# KiCad board Gear80 hotswap.kicad_pcb
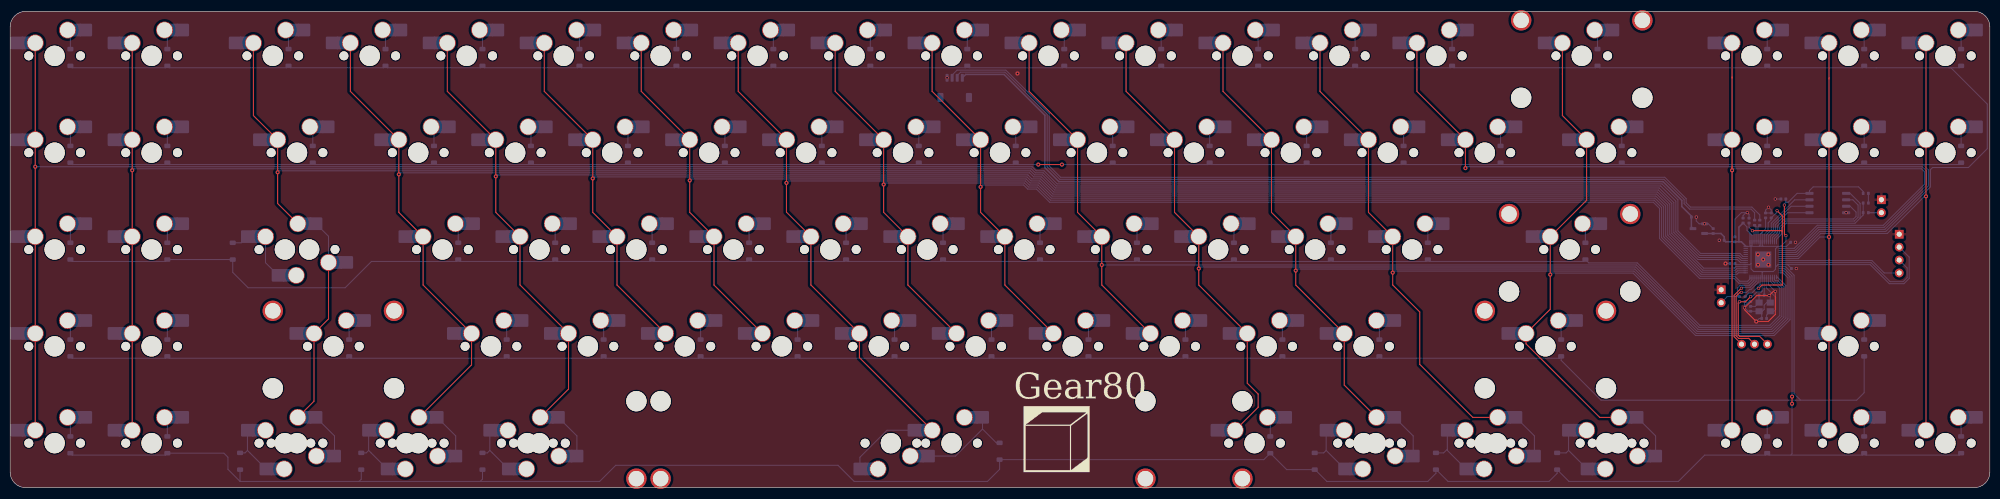
[diagram p0: board, top side]
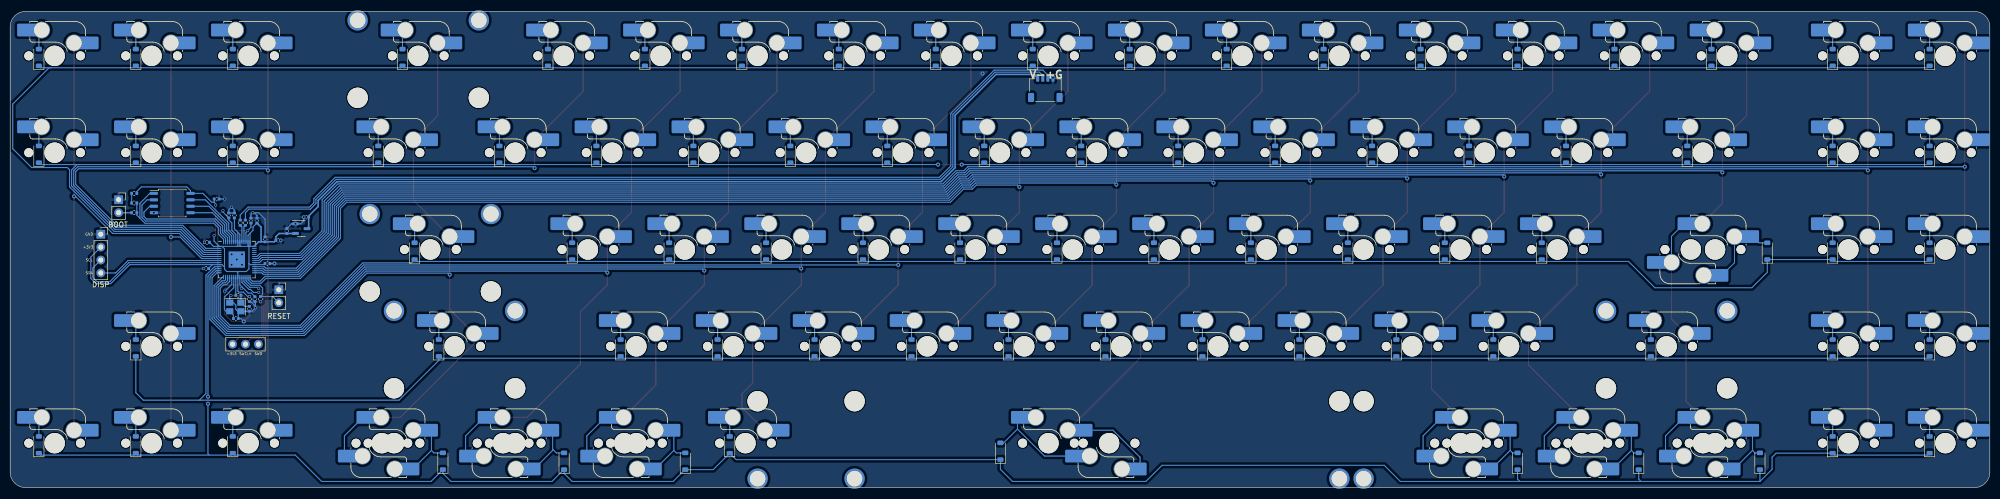
[diagram p1: board, bottom side, seen from below]

Outline 388.94 x 93.66 mm; copper layers: Top, Bottom. Coordinates in mm from the lower left corner of the outline.
Outline path: 0,90.66 arc(0.88,92.78) 3,93.66 385.94,93.66 arc(388.06,92.78) 388.94,90.66 388.94,3 arc(388.06,0.88) 385.94,0 3,0 arc(0.88,0.88) 0,3 0,90.66

## Placement (name value [footprint] x y rotation side)
BOOT1  SW_Push  [PinSocket_1x02_P2.54mm_Vertical]  367.64 56.62 180 bottom
C1  1u  [C_0402_1005Metric]  341.63 52.51 90 bottom
C2  100n  [C_0402_1005Metric]  340.86 37.07 270 bottom
C3  100n  [C_0402_1005Metric]  345.99 53.53 90 bottom
C4  100n  [C_0402_1005Metric]  336.26 48.65 180 bottom
C5  1u  [C_0402_1005Metric]  338.85 48.83 90 bottom
C6  100n  [C_0402_1005Metric]  350.44 43.09 0 bottom
C7  100n  [C_0402_1005Metric]  341.94 37.08 270 bottom
C8  100n  [C_0402_1005Metric]  350.28 48.25 0 bottom
C9  100n  [C_0402_1005Metric]  338.39 44.06 180 bottom
C10  100n  [C_0402_1005Metric]  344.88 53.53 90 bottom
C11  100n  [C_0402_1005Metric]  340.46 52.52 90 bottom
C12  1u  [C_0402_1005Metric]  348.38 56.77 180 bottom
C13  22p  [C_0402_1005Metric]  344.6 33.26 0 bottom
C14  22p  [C_0402_1005Metric]  341.94 35.16 90 bottom
C15  1u  [C_0402_1005Metric]  330.78 53.21 0 bottom
C16  1u  [C_0402_1005Metric]  334.59 50.46 90 bottom
D1  D_Small  [D_SOD-123]  11.83 84.61 90 bottom
D2  D_Small  [D_SOD-123]  30.88 84.61 90 bottom
D3  D_Small  [D_SOD-123]  54.69 84.61 90 bottom
D4  D_Small  [D_SOD-123]  73.74 84.61 90 bottom
D5  D_Small  [D_SOD-123]  92.79 84.61 90 bottom
D6  D_Small  [D_SOD-123]  111.84 84.61 90 bottom
D7  D_Small  [D_SOD-123]  130.89 84.61 90 bottom
D8  D_Small  [D_SOD-123]  149.94 84.61 90 bottom
D9  D_Small  [D_SOD-123]  168.99 84.61 90 bottom
D10  D_Small  [D_SOD-123]  188.04 84.61 90 bottom
D11  D_Small  [D_SOD-123]  207.09 84.61 90 bottom
D12  D_Small  [D_SOD-123]  226.14 84.61 90 bottom
D13  D_Small  [D_SOD-123]  245.19 84.61 90 bottom
D14  D_Small  [D_SOD-123]  264.24 84.61 90 bottom
D15  D_Small  [D_SOD-123]  283.29 84.61 90 bottom
D16  D_Small  [D_SOD-123]  311.86 84.61 90 bottom
D17  D_Small  [D_SOD-123]  345.2 84.61 90 bottom
D18  D_Small  [D_SOD-123]  364.25 84.61 90 bottom
D19  D_Small  [D_SOD-123]  383.3 84.61 90 bottom
D20  D_Small  [D_SOD-123]  11.83 65.56 90 bottom
D21  D_Small  [D_SOD-123]  30.88 65.56 90 bottom
D22  D_Small  [D_SOD-123]  59.45 65.56 90 bottom
D23  D_Small  [D_SOD-123]  83.26 65.56 90 bottom
D24  D_Small  [D_SOD-123]  102.31 65.56 90 bottom
D25  D_Small  [D_SOD-123]  121.36 65.56 90 bottom
D26  D_Small  [D_SOD-123]  140.41 65.56 90 bottom
D27  D_Small  [D_SOD-123]  159.46 65.56 90 bottom
D28  D_Small  [D_SOD-123]  178.51 65.56 90 bottom
D29  D_Small  [D_SOD-123]  197.56 65.56 90 bottom
D30  D_Small  [D_SOD-123]  216.61 65.56 90 bottom
D31  D_Small  [D_SOD-123]  235.66 65.56 90 bottom
D32  D_Small  [D_SOD-123]  254.71 65.56 90 bottom
D33  D_Small  [D_SOD-123]  273.76 65.56 90 bottom
D34  D_Small  [D_SOD-123]  292.81 65.56 90 bottom
D35  D_Small  [D_SOD-123]  316.63 65.56 90 bottom
D36  D_Small  [D_SOD-123]  345.2 65.56 90 bottom
D37  D_Small  [D_SOD-123]  364.25 65.56 90 bottom
D38  D_Small  [D_SOD-123]  383.3 65.56 90 bottom
D40  D_Small  [D_SOD-123]  11.83 46.51 90 bottom
D41  D_Small  [D_SOD-123]  30.88 46.51 90 bottom
D42  D_Small  [D_SOD-123]  43.72 46.5 90 bottom
D43  D_Small  [D_SOD-123]  88.03 46.51 90 bottom
D44  D_Small  [D_SOD-123]  107.08 46.51 90 bottom
D45  D_Small  [D_SOD-123]  126.13 46.51 90 bottom
D46  D_Small  [D_SOD-123]  145.18 46.51 90 bottom
D47  D_Small  [D_SOD-123]  164.23 46.51 90 bottom
D48  D_Small  [D_SOD-123]  183.28 46.51 90 bottom
D49  D_Small  [D_SOD-123]  202.33 46.51 90 bottom
D50  D_Small  [D_SOD-123]  221.38 46.51 90 bottom
D51  D_Small  [D_SOD-123]  240.43 46.51 90 bottom
D52  D_Small  [D_SOD-123]  259.48 46.51 90 bottom
D53  D_Small  [D_SOD-123]  278.53 46.51 90 bottom
D54  D_Small  [D_SOD-123]  309.48 46.51 90 bottom
D55  D_Small  [D_SOD-123]  11.83 27.46 90 bottom
D56  D_Small  [D_SOD-123]  30.88 27.46 90 bottom
D57  D_Small  [D_SOD-123]  66.59 27.46 90 bottom
D58  D_Small  [D_SOD-123]  97.55 27.46 90 bottom
D59  D_Small  [D_SOD-123]  116.6 27.46 90 bottom
D60  D_Small  [D_SOD-123]  135.65 27.46 90 bottom
D61  D_Small  [D_SOD-123]  154.7 27.46 90 bottom
D62  D_Small  [D_SOD-123]  173.75 27.46 90 bottom
D63  D_Small  [D_SOD-123]  192.8 27.46 90 bottom
D64  D_Small  [D_SOD-123]  211.85 27.46 90 bottom
D65  D_Small  [D_SOD-123]  230.9 27.46 90 bottom
D66  D_Small  [D_SOD-123]  249.95 27.46 90 bottom
D67  D_Small  [D_SOD-123]  269 27.46 90 bottom
D68  D_Small  [D_SOD-123]  304.72 27.46 90 bottom
D69  D_Small  [D_SOD-123]  364.25 27.46 90 bottom
D70  D_Small  [D_SOD-123]  11.83 8.41 90 bottom
D71  D_Small  [D_SOD-123]  30.88 8.41 90 bottom
D72  D_Small  [D_SOD-123]  45.16 5.17 90 bottom
D73  D_Small  [D_SOD-123]  68.98 5.17 90 bottom
D74  D_Small  [D_SOD-123]  92.79 5.17 90 bottom
D75  D_Small  [D_SOD-123]  194.39 7.14 90 bottom
D76  D_Small  [D_SOD-123]  256.3 5.17 90 bottom
D77  D_Small  [D_SOD-123]  280.11 5.17 90 bottom
D78  D_Small  [D_SOD-123]  303.93 5.17 90 bottom
D79  D_Small  [D_SOD-123]  345.2 8.41 90 bottom
D80  D_Small  [D_SOD-123]  364.25 8.41 90 bottom
D81  D_Small  [D_SOD-123]  383.3 8.41 90 bottom
D86  D_Small  [D_SOD-123]  247.57 8.41 90 bottom
G***  LOGO  [qwerqwer]  205.58 9.53 0 top
J1  Conn_01x04  [PinHeader_1x04_P2.54mm_Vertical]  371.14 49.84 0 top
J2  Conn_01x03  [PinHeader_1x03_P2.54mm_Vertical]  345.25 28.2 270 top
J3  Conn_01x04  [JST_SH_SM04B-SRSS-TB_1x04-1MP_P1.00mm_Horizontal]  185.57 78.61 180 bottom
MX1  MX_SW_HS  [SW_MX_HS_1u]  8.73 84.93 180 bottom
MX2  MX_SW_HS  [SW_MX_HS_1u]  27.78 84.93 180 bottom
MX3  MX_SW_HS  [SW_MX_HS_1u]  51.59 84.93 180 bottom
MX4  MX_SW_HS  [SW_MX_HS_1u]  70.64 84.93 180 bottom
MX5  MX_SW_HS  [SW_MX_HS_1u]  89.69 84.93 180 bottom
MX6  MX_SW_HS  [SW_MX_HS_1u]  108.74 84.93 180 bottom
MX7  MX_SW_HS  [SW_MX_HS_1u]  127.79 84.93 180 bottom
MX8  MX_SW_HS  [SW_MX_HS_1u]  146.84 84.93 180 bottom
MX9  MX_SW_HS  [SW_MX_HS_1u]  165.89 84.93 180 bottom
MX10  MX_SW_HS  [SW_MX_HS_1u]  184.94 84.93 180 bottom
MX11  MX_SW_HS  [SW_MX_HS_1u]  203.99 84.93 180 bottom
MX12  MX_SW_HS  [SW_MX_HS_1u]  223.04 84.93 180 bottom
MX13  MX_SW_HS  [SW_MX_HS_1u]  242.09 84.93 180 bottom
MX14  MX_SW_HS  [SW_MX_HS_1u]  261.14 84.93 180 bottom
MX15  MX_SW_HS  [SW_MX_HS_1u]  280.19 84.93 180 bottom
MX16  MX_SW_HS  [SW_MX_HS_1u]  308.77 84.93 180 bottom
MX17  MX_SW_HS  [SW_MX_HS_1u]  342.11 84.93 180 bottom
MX18  MX_SW_HS  [SW_MX_HS_1u]  361.16 84.93 180 bottom
MX19  MX_SW_HS  [SW_MX_HS_1u]  380.21 84.93 180 bottom
MX20  MX_SW_HS  [SW_MX_HS_1u]  8.73 65.88 180 bottom
MX21  MX_SW_HS  [SW_MX_HS_1u]  27.78 65.88 180 bottom
MX22  MX_SW_HS  [SW_MX_HS_1.5u]  56.36 65.88 180 bottom
MX23  MX_SW_HS  [SW_MX_HS_1u]  80.17 65.88 180 bottom
MX24  MX_SW_HS  [SW_MX_HS_1u]  99.22 65.88 180 bottom
MX25  MX_SW_HS  [SW_MX_HS_1u]  118.27 65.88 180 bottom
MX26  MX_SW_HS  [SW_MX_HS_1u]  137.32 65.88 180 bottom
MX27  MX_SW_HS  [SW_MX_HS_1u]  156.37 65.88 180 bottom
MX28  MX_SW_HS  [SW_MX_HS_1u]  175.42 65.88 180 bottom
MX29  MX_SW_HS  [SW_MX_HS_1u]  194.47 65.88 180 bottom
MX30  MX_SW_HS  [SW_MX_HS_1u]  213.52 65.88 180 bottom
MX31  MX_SW_HS  [SW_MX_HS_1u]  232.57 65.88 180 bottom
MX32  MX_SW_HS  [SW_MX_HS_1u]  251.62 65.88 180 bottom
MX33  MX_SW_HS  [SW_MX_HS_1u]  270.67 65.88 180 bottom
MX34  MX_SW_HS  [SW_MX_HS_1u]  289.72 65.88 180 bottom
MX35  MX_SW_HS  [SW_MX_HS_1.5u]  313.53 65.88 180 bottom
MX36  MX_SW_HS  [SW_MX_HS_1u]  342.11 65.88 180 bottom
MX37  MX_SW_HS  [SW_MX_HS_1u]  361.16 65.88 180 bottom
MX38  MX_SW_HS  [SW_MX_HS_1u]  380.21 65.88 180 bottom
MX39  MX_SW_HS  [SW_MX_HS_1.75u_STP_1.25]  53.97 46.83 180 bottom
MX40  MX_SW_HS  [SW_MX_HS_1u]  8.73 46.83 180 bottom
MX41  MX_SW_HS  [SW_MX_HS_1u]  27.78 46.83 180 bottom
MX42  MX_SW_HS  [SW_MX_HS_1.75u]  58.74 46.83 0 bottom
MX43  MX_SW_HS  [SW_MX_HS_1u]  84.93 46.83 180 bottom
MX44  MX_SW_HS  [SW_MX_HS_1u]  103.98 46.83 180 bottom
MX45  MX_SW_HS  [SW_MX_HS_1u]  123.03 46.83 180 bottom
MX46  MX_SW_HS  [SW_MX_HS_1u]  142.08 46.83 180 bottom
MX47  MX_SW_HS  [SW_MX_HS_1u]  161.13 46.83 180 bottom
MX48  MX_SW_HS  [SW_MX_HS_1u]  180.18 46.83 180 bottom
MX49  MX_SW_HS  [SW_MX_HS_1u]  199.23 46.83 180 bottom
MX50  MX_SW_HS  [SW_MX_HS_1u]  218.28 46.83 180 bottom
MX51  MX_SW_HS  [SW_MX_HS_1u]  237.33 46.83 180 bottom
MX52  MX_SW_HS  [SW_MX_HS_1u]  256.38 46.83 180 bottom
MX53  MX_SW_HS  [SW_MX_HS_1u]  275.43 46.83 180 bottom
MX54  MX_SW_HS  [SW_MX_HS_1u]  306.39 46.83 180 bottom
MX55  MX_SW_HS  [SW_MX_HS_1u]  8.73 27.78 180 bottom
MX56  MX_SW_HS  [SW_MX_HS_1u]  27.78 27.78 180 bottom
MX57  MX_SW_HS  [SW_MX_HS_1u]  63.5 27.78 180 bottom
MX58  MX_SW_HS  [SW_MX_HS_1u]  94.46 27.78 180 bottom
MX59  MX_SW_HS  [SW_MX_HS_1u]  113.51 27.78 180 bottom
MX60  MX_SW_HS  [SW_MX_HS_1u]  132.56 27.78 180 bottom
MX61  MX_SW_HS  [SW_MX_HS_1u]  151.61 27.78 180 bottom
MX62  MX_SW_HS  [SW_MX_HS_1u]  170.66 27.78 180 bottom
MX63  MX_SW_HS  [SW_MX_HS_1u]  189.71 27.78 180 bottom
MX64  MX_SW_HS  [SW_MX_HS_1u]  208.76 27.78 180 bottom
MX65  MX_SW_HS  [SW_MX_HS_1u]  227.81 27.78 180 bottom
MX66  MX_SW_HS  [SW_MX_HS_1u]  246.86 27.78 180 bottom
MX67  MX_SW_HS  [SW_MX_HS_1u]  265.91 27.78 180 bottom
MX68  MX_SW_HS  [SW_MX_HS_1u]  301.62 27.78 180 bottom
MX69  MX_SW_HS  [SW_MX_HS_1u]  361.16 27.78 180 bottom
MX70  MX_SW_HS  [SW_MX_HS_1u]  8.73 8.73 180 bottom
MX71  MX_SW_HS  [SW_MX_HS_1u]  27.78 8.73 180 bottom
MX72  MX_SW_HS  [SW_MX_HS_1.5u]  56.36 8.73 0 bottom
MX73  MX_SW_HS  [SW_MX_HS_1u]  80.17 8.73 0 bottom
MX74  MX_SW_HS  [SW_MX_HS_1.5u]  103.98 8.73 0 bottom
MX75  MX_SW_HS  [SW_MX_HS_1u]  184.94 8.73 180 bottom
MX76  MX_SW_HS  [SW_MX_HS_1.5u]  265.91 8.73 180 bottom
MX77  MX_SW_HS  [SW_MX_HS_1u]  289.72 8.73 180 bottom
MX78  MX_SW_HS  [SW_MX_HS_1.5u]  313.53 8.73 180 bottom
MX79  MX_SW_HS  [SW_MX_HS_1u]  342.11 8.73 180 bottom
MX80  MX_SW_HS  [SW_MX_HS_1u]  361.16 8.73 180 bottom
MX81  MX_SW_HS  [SW_MX_HS_1u]  380.21 8.73 180 bottom
MX82  MX_SW_HS  [SW_MX_HS_1.25u]  53.97 8.73 180 bottom
MX83  MX_SW_HS  [SW_MX_HS_1.25u]  77.79 8.73 180 bottom
MX84  MX_SW_HS  [SW_MX_HS_1.25u]  101.6 8.73 180 bottom
MX85  MX_SW_HS  [SW_MX_HS_1u]  173.04 8.73 0 bottom
MX86  MX_SW_HS  [SW_MX_HS_1.25u]  244.48 8.73 180 bottom
MX87  MX_SW_HS  [SW_MX_HS_1.25u]  268.29 8.73 0 bottom
MX88  MX_SW_HS  [SW_MX_HS_1.25u]  292.1 8.73 0 bottom
MX89  MX_SW_HS  [SW_MX_HS_1.25u]  315.91 8.73 0 bottom
R1  27  [R_0402_1005Metric]  343.74 52.1 270 bottom
R2  27  [R_0402_1005Metric]  342.73 52.1 270 bottom
R5  1k  [R_0402_1005Metric]  344.11 37.83 0 bottom
R6  5.1k  [R_0402_1005Metric]  364.57 57.87 180 bottom
R7  5.1k  [R_0402_1005Metric]  339.75 37.06 270 bottom
R8  5.1k  [R_0402_1005Metric]  364.57 55.97 0 bottom
R9  1k  [R_0402_1005Metric]  364.57 54.07 180 bottom
RESET1  SW_Push  [PinSocket_1x02_P2.54mm_Vertical]  336.16 38.91 180 bottom
S1  stb  [STAB_MX_P_7u]  184.94 8.73 0 bottom
S2  stb  [STAB_MX_P_6.25u]  173.04 8.73 0 bottom
S3  stb  [STAB_MX_P_2.25u]  63.5 27.78 180 bottom
S4  stb  [STAB_MX_P_2u]  308.77 84.93 180 bottom
S5  stb  [STAB_MX_P_2.25u]  306.39 46.83 180 bottom
S6  stb  [STAB_MX_P_2.75u]  301.62 27.78 180 bottom
U1  RP2040  [QFN-56-1EP_7x7mm_P0.4mm_EP3.2x3.2mm]  344.41 44.85 180 bottom
U3  W25Q128JVSIQ  [SOIC-8_5.23x5.23mm_P1.27mm]  357.11 55.97 180 bottom
U4  XC6206P332MR  [SOT-23-3]  331.75 50.94 180 bottom
Y1  X322512MSB4SI  [Crystal_SMD_3225-4Pin_3.2x2.5mm]  344.7 35.53 0 bottom

## Library data of the parts
BOOT1 RESET1 = -: Description: Push button switch, generic, two pins
C1-C16 = -: Description: Unpolarized capacitor, small symbol
D1-D38 D40-D81 D86 = -: Description: Diode, small symbol; Sim.Device: D; Sim.Pins: 1=K 2=A
J1 J3 = -: Description: Generic connector, single row, 01x04, script generated (kicad-library-utils/schlib/autogen/connector/)
J2 = -: Description: Generic connector, single row, 01x03, script generated (kicad-library-utils/schlib/autogen/connector/)
MX1-MX89 = -: Description: Push button switch, normally open, two pins, 45° tilted
R1 R2 R5-R9 = -: Description: Resistor, small symbol
S1-S6 = -: Description: Cherry MX-style stabilizer
U1 = -: Description: A microcontroller by Raspberry Pi
U3 = -: Description: 128Mb Serial Flash Memory, Standard/Dual/Quad SPI, SOIC-8
U4 = -: Description: Positive 60-250mA Low Dropout Regulator, Fixed Output, SOT-23
Y1 = -: Description: Four pin crystal, GND on pins 2 and 4

## Footprints (pads in the part's own frame, mm; a bottom-side part is the same pattern mirrored in y, then rotated)
C_0402_1005Metric
  rrect 0.56x0.62 smd: 1(-0.48,0) 2(0.48,0)
Crystal_SMD_3225-4Pin_3.2x2.5mm
  rect 1.4x1.2 smd: 1(-1.1,-0.85) 2(1.1,-0.85) 3(1.1,0.85) 4(-1.1,0.85)
D_SOD-123
  rrect 0.9x1.2 smd: 1(-1.65,0) 2(1.65,0)
JST_SH_SM04B-SRSS-TB_1x04-1MP_P1.00mm_Horizontal
  rrect 0.6x1.55 smd: 1(-1.5,2) 2(-0.5,2) 3(0.5,2) 4(1.5,2)
  rrect 1.2x1.8 smd: MP(-2.8,-1.875) MP(2.8,-1.875)
PinHeader_1x03_P2.54mm_Vertical
  oval 1.7x1.7 hole 1: 1(0,0) 2(0,-2.54) 3(0,-5.08)
PinHeader_1x04_P2.54mm_Vertical
  rect 1.7x1.7 hole 1: 1(0,0)
  oval 1.7x1.7 hole 1: 2(0,-2.54) 3(0,-5.08) 4(0,-7.62)
PinSocket_1x02_P2.54mm_Vertical
  rect 1.7x1.7 hole 1: 1(0,0)
  oval 1.7x1.7 hole 1: 2(0,-2.54)
QFN-56-1EP_7x7mm_P0.4mm_EP3.2x3.2mm
  rrect 1.29x1.29 smd: (-0.8,-0.8) (-0.8,0.8) (0.8,-0.8) (0.8,0.8)
  rrect 0.875x0.2 smd: 1(-3.438,2.6) 2(-3.438,2.2) 3(-3.438,1.8) 4(-3.438,1.4) 5(-3.438,1) 6(-3.438,0.6) 7(-3.438,0.2) 8(-3.438,-0.2) 9(-3.438,-0.6) 10(-3.438,-1) 11(-3.438,-1.4) 12(-3.438,-1.8) 13(-3.438,-2.2) 14(-3.438,-2.6) 29(3.438,-2.6) 30(3.438,-2.2) 31(3.438,-1.8) 32(3.438,-1.4) 33(3.438,-1) 34(3.438,-0.6) 35(3.438,-0.2) 36(3.438,0.2) 37(3.438,0.6) 38(3.438,1) 39(3.438,1.4) 40(3.438,1.8) 41(3.438,2.2) 42(3.438,2.6)
  rrect 0.2x0.875 smd: 15(-2.6,-3.438) 16(-2.2,-3.438) 17(-1.8,-3.438) 18(-1.4,-3.438) 19(-1,-3.438) 20(-0.6,-3.438) 21(-0.2,-3.438) 22(0.2,-3.438) 23(0.6,-3.438) 24(1,-3.438) 25(1.4,-3.438) 26(1.8,-3.438) 27(2.2,-3.438) 28(2.6,-3.438) 43(2.6,3.438) 44(2.2,3.438) 45(1.8,3.438) 46(1.4,3.438) 47(1,3.438) 48(0.6,3.438) 49(0.2,3.438) 50(-0.2,3.438) 51(-0.6,3.438) 52(-1,3.438) 53(-1.4,3.438) 54(-1.8,3.438) 55(-2.2,3.438) 56(-2.6,3.438)
  rect 3.2x3.2 smd: 57(0,0)
R_0402_1005Metric
  rrect 0.54x0.64 smd: 1(-0.51,0) 2(0.51,0)
SOIC-8_5.23x5.23mm_P1.27mm
  rrect 1.6x0.6 smd: 1(-3.6,1.905) 2(-3.6,0.635) 3(-3.6,-0.635) 4(-3.6,-1.905) 5(3.6,-1.905) 6(3.6,-0.635) 7(3.6,0.635) 8(3.6,1.905)
SOT-23-3
  rrect 1.325x0.6 smd: 1(-1.137,0.95) 2(-1.137,-0.95) 3(1.137,0)
STAB_MX_P_2.25u
  round 3.988 hole 3.988 unplated: (-11.906,-8.255) (11.906,-8.255)
  round 4 hole 3.048: (-11.906,6.985) (11.906,6.985)
STAB_MX_P_2.75u
  round 3.988 hole 3.988 unplated: (-11.906,-8.255) (11.906,-8.255)
  round 4 hole 3.048: (-11.906,6.985) (11.906,6.985)
STAB_MX_P_2u
  round 3.988 hole 3.988 unplated: (-11.906,-8.255) (11.906,-8.255)
  round 4 hole 3.048: (-11.906,6.985) (11.906,6.985)
STAB_MX_P_6.25u
  round 3.988 hole 3.988 unplated: (-50.006,-8.255) (50.006,-8.255)
  round 4 hole 3.048: (-50.006,6.985) (50.006,6.985)
STAB_MX_P_7u
  round 3.988 hole 3.988 unplated: (-57.15,-8.255) (57.15,-8.255)
  round 4 hole 3.048: (-57.15,6.985) (57.15,6.985)
SW_MX_HS_1.5u
  round 1.75 hole 1.75 unplated: (-5.08,0) (5.08,0)
  round 3.988 hole 3.988 unplated: (0,0)
  round 3.3 hole 3: 1(3.81,2.54) 2(-2.54,5.08)
  rect 1.65x2.5 smd: 1(5.635,2.54) 2(-4.34,5.08)
  rrect 2.55x2.5 smd: 1(7.36,2.54) 2(-6.09,5.08)
SW_MX_HS_1.25u
  round 1.75 hole 1.75 unplated: (-5.08,0) (5.08,0)
  round 3.988 hole 3.988 unplated: (0,0)
  round 3.3 hole 3: 1(3.81,2.54) 2(-2.54,5.08)
  rect 1.65x2.5 smd: 1(5.635,2.54) 2(-4.34,5.08)
  rrect 2.55x2.5 smd: 1(7.36,2.54) 2(-6.09,5.08)
SW_MX_HS_1.75u
  round 1.75 hole 1.75 unplated: (-5.08,0) (5.08,0)
  round 3.988 hole 3.988 unplated: (0,0)
  round 3.3 hole 3: 1(3.81,2.54) 2(-2.54,5.08)
  rect 1.65x2.5 smd: 1(5.635,2.54) 2(-4.34,5.08)
  rrect 2.55x2.5 smd: 1(7.36,2.54) 2(-6.09,5.08)
SW_MX_HS_1.75u_STP_1.25
  round 1.75 hole 1.75 unplated: (-5.08,0) (5.08,0)
  round 3.988 hole 3.988 unplated: (0,0)
  round 3.3 hole 3: 1(3.81,2.54) 2(-2.54,5.08)
  rect 1.65x2.5 smd: 1(5.635,2.54) 2(-4.34,5.08)
  rrect 2.55x2.5 smd: 1(7.36,2.54) 2(-6.09,5.08)
SW_MX_HS_1u
  round 1.75 hole 1.75 unplated: (-5.08,0) (5.08,0)
  round 3.988 hole 3.988 unplated: (0,0)
  round 3.3 hole 3: 1(3.81,2.54) 2(-2.54,5.08)
  rect 1.65x2.5 smd: 1(5.635,2.54) 2(-4.34,5.08)
  rrect 2.55x2.5 smd: 1(7.36,2.54) 2(-6.09,5.08)

## Nets
+1V1: C1.1 C2.1 C3.1 U1.23 U1.45 U1.50
+3V3: C4.1 C5.1 C6.1 C7.1 C8.1 C9.1 C10.1 C11.1 C12.1 C16.1 J1.2 J2.1 R6.2 R7.2 U1.1 U1.10 U1.22 U1.33 U1.42 U1.43 U1.44 U1.48 U1.49 U3.8 U4.2
+5V: C15.1 J3.1 U4.3
GND: BOOT1.1 C1.2 C2.2 C3.2 C4.2 C5.2 C6.2 C7.2 C8.2 C9.2 C10.2 C11.2 C12.2 C13.1 C14.1 C15.2 C16.2 J1.1 J3.4 RESET1.1 U1.19 U1.57 U3.4 U4.1 Y1.2 Y1.4
COL0: MX1.1 MX20.1 MX40.1 MX55.1 MX70.1 U1.37
COL1: MX2.1 MX21.1 MX41.1 MX56.1 MX71.1 U1.36
COL2: MX3.1 MX22.1 MX39.2 MX42.1 MX57.1 MX72.1 MX82.2 U1.35
COL3: MX4.1 MX23.1 MX43.1 MX58.1 MX73.1 MX83.2 U1.34
COL4: MX5.1 MX24.1 MX44.1 MX59.1 MX74.1 MX84.2 U1.32
COL5: MX6.1 MX25.1 MX45.1 MX60.1 U1.31
COL6: MX7.1 MX26.1 MX46.1 MX61.1 U1.30
COL7: MX8.1 MX27.1 MX47.1 MX62.1 MX75.1 MX85.2 U1.29
COL8: MX9.1 MX28.1 MX48.1 MX63.1 U1.28
COL9: MX10.1 MX29.1 MX49.1 MX64.1 U1.27
COL10: MX11.1 MX30.1 MX50.1 MX65.1 U1.17
COL11: MX12.1 MX31.1 MX51.1 MX66.1 MX86.1 U1.16
COL12: MX13.1 MX32.1 MX52.1 MX67.1 MX76.2 MX87.1 U1.15
COL13: MX14.1 MX33.1 MX53.1 MX77.2 MX88.1 U1.14
COL14: MX15.1 MX34.1 U1.3
COL15: MX16.1 MX35.1 MX54.1 MX68.1 MX78.2 MX89.1 U1.13
COL16: MX17.1 MX36.1 MX79.1 U1.2
COL17: MX18.1 MX37.1 MX69.1 MX80.1 U1.7
COL18: MX19.1 MX38.1 MX81.1 U1.6
QSPI_SCLK: U1.52 U3.6
QSPI_SD0: U1.53 U3.5
QSPI_SD1: U1.55 U3.2
QSPI_SD2: U1.54 U3.3
QSPI_SD3: U1.51 U3.7
QSPI_SS: R8.1 R9.2 U1.56 U3.1
RESET: R7.1 RESET1.2 U1.26
ROW0: D1.1 D2.1 D3.1 D4.1 D5.1 D6.1 D7.1 D8.1 D9.1 D10.1 D11.1 D12.1 D13.1 D14.1 D15.1 D16.1 D17.1 D18.1 D19.1 U1.5
ROW1: D20.1 D21.1 D22.1 D23.1 D24.1 D25.1 D26.1 D27.1 D28.1 D29.1 D30.1 D31.1 D32.1 D33.1 D34.1 D35.1 D36.1 D37.1 D38.1 U1.4
ROW2: D40.1 D41.1 D42.1 D43.1 D44.1 D45.1 D46.1 D47.1 D48.1 D49.1 D50.1 D51.1 D52.1 D53.1 D54.1 U1.18
ROW3: D55.1 D56.1 D57.1 D58.1 D59.1 D60.1 D61.1 D62.1 D63.1 D64.1 D65.1 D66.1 D67.1 D68.1 D69.1 U1.11
ROW4: D70.1 D71.1 D72.1 D73.1 D74.1 D75.1 D76.1 D77.1 D78.1 D79.1 D80.1 D81.1 D86.1 U1.12
SCL: J1.3 U1.9
SDA: J1.4 U1.8
SWCLK: J2.2 U1.24
SWD: J2.3 U1.25
USB_D+: J3.3 R1.1
USB_D-: J3.2 R2.1
XIN: C13.2 U1.20 Y1.3
XOUT: R5.2 U1.21
Net-(BOOT1-Pad2): BOOT1.2 R9.1
Net-(C14-Pad2): C14.2 R5.1 Y1.1
Net-(D1-A): D1.2 MX1.2
Net-(D2-A): D2.2 MX2.2
Net-(D3-A): D3.2 MX3.2
Net-(D4-A): D4.2 MX4.2
Net-(D5-A): D5.2 MX5.2
Net-(D6-A): D6.2 MX6.2
Net-(D7-A): D7.2 MX7.2
Net-(D8-A): D8.2 MX8.2
Net-(D9-A): D9.2 MX9.2
Net-(D10-A): D10.2 MX10.2
Net-(D11-A): D11.2 MX11.2
Net-(D12-A): D12.2 MX12.2
Net-(D13-A): D13.2 MX13.2
Net-(D14-A): D14.2 MX14.2
Net-(D15-A): D15.2 MX15.2
Net-(D16-A): D16.2 MX16.2